# KiCad board main - copyOK.kicad_pcb (continued)
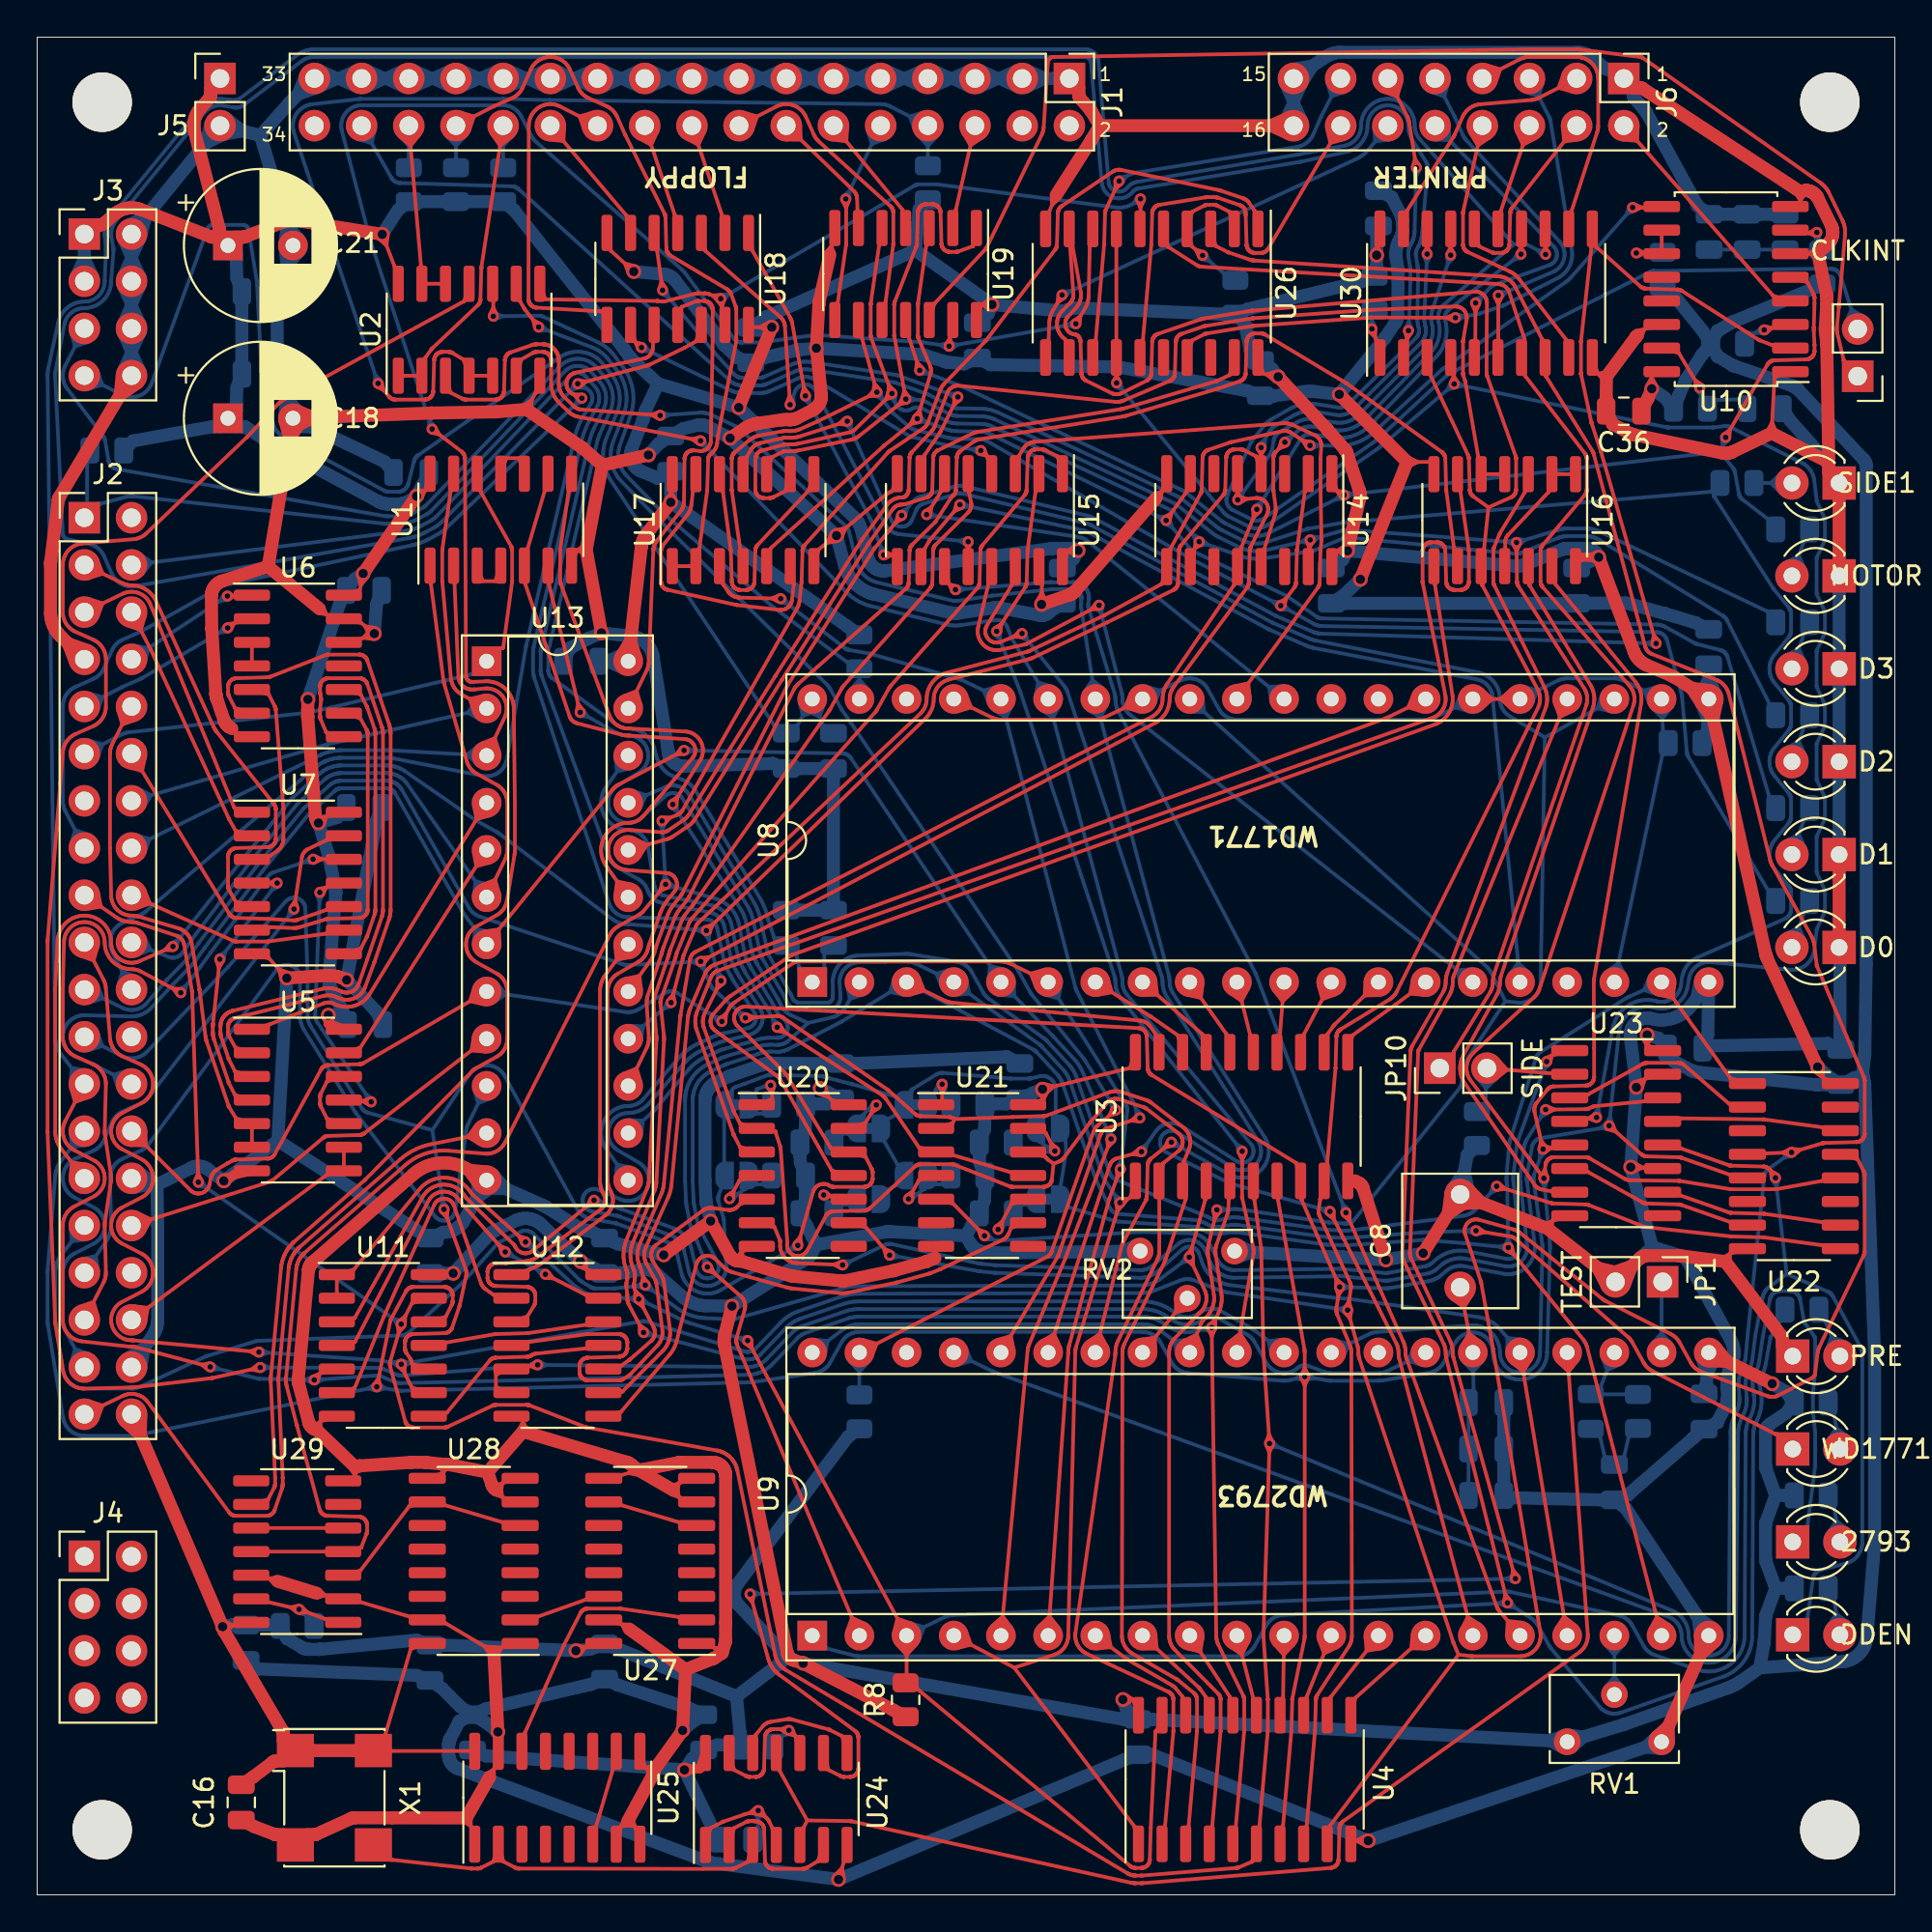
[diagram p0: board, top side]
## Routing (per net, layer and track width the routed paths; a pad name or vN(x,y) marks a point on that pad's centre or on a via; arc(x,y) is an arc through that point) (continued)
GND: length 1170.4
  Top w0.2: 73.75,77.13 74.99,77.13 U16.7 ; 37.9,34.61 38.08,34.23 ; 37.9,34.61 U20.7 ; 37.9,34.61 37.86,34.12 ; 37.9,34.61 37.66,34.27 ; 36.47,13.3 36.88,13.02 ; 36.47,13.3 36.89,13.27 ; 36.47,13.3 36.65,12.91 ; 36.47,13.3 U27.1 ; 17.1,22.59 17.31,22.92 ; 17.1,22.59 16.89,22.92 ; 17.1,22.59 17.1,22.49 U29.7 ; 17.1,22.59 17.1,23.05 ; 91.13,34.51 90.76,34.31 ; 91.13,34.51 91.13,34.09 ; 91.13,34.51 90.88,34.09 ; 91.13,34.51 92.06,34.78 ; 31.47,14.56 31.89,14.3 ; 31.47,14.56 31.89,14.55 ; 31.47,14.56 31.66,14.19 ; 31.47,14.56 U27.15 ; U26.10 54.5,90.65 54.86,91.51 ; v1(54.07,69.46) 54.09,70.5 U15.15 ; 71.02,2.91 v1(71.65,2.91) ; 71.02,2.91 71.51,2.65 ; 71.02,2.91 70.92,2.91 U4.10 ; 71.02,2.91 71.51,3.18 ; 60.55,75.54 60.23,75.17 ; 60.55,75.54 U14.8 ; 60.55,75.54 60.15,75.41 ; 60.55,75.54 60.47,75.13 ; 32.34,22.61 31.82,22.7 32.22,23.05 ; 23.34,3.71 22.97,3.92 ; 23.34,3.71 U25.1 ; 23.34,3.71 23.35,4.13 ; 23.34,3.71 23.1,4.14 ; 25.04,22.16 24.73,21.79 25.04,21.41 ; 25.04,22.17 U28.8 ; 25.04,22.16 24.98,21.75 ; 25.04,22.16 24.65,22.02 ; 34.54,21.41 34.48,21.82 ; 34.54,21.41 34.15,21.55 ; 34.54,21.41 34.23,21.79 34.54,22.16 ; 34.54,21.41 U27.7 ; 86.51,84.28 86.09,84.19 ; 86.51,84.28 86.38,83.87 ; 86.51,84.28 86.14,83.95 ; 86.51,84.28 U10.14 ; U15.8 46.03,75.56 45.97,75.54 45.92,75.52 45.87,75.49 45.82,75.46 45.78,75.43 45.73,75.4 45.69,75.37 45.64,75.34 v1(43.03,73.17) 42.08,72.44 U17.7 ; U28.9 21.86,22.72 ; 21.86,22.72 21.9,23.18 ; 21.86,22.72 22.1,23.02 ; 21.86,22.72 21.68,23.06 ; 84.01,81.88 84.29,81.56 ; 84.01,81.88 84.42,81.97 ; 84.01,81.88 U30.10 ; 84.01,81.88 84.48,81.73 ; 17.92,68.09 17.55,67.67 18.11,67.59 ; 26.19,80.17 26.63,80.48 26.59,79.94 ; 73.85,76.91 74.34,77.13 73.85,77.36 ; U23.11 86.6,39.14 86.5,39.14 86.5,39.15 v1(85.78,39.18) ; 15.56,68.93 15.18,69.24 ; 15.56,68.93 15.42,69.32 ; 15.56,68.93 15.15,68.99 ; 15.56,68.93 15.56,68.93 U6.13 17.46,68.46 v1(18.15,67.89) 17.47,67.64 U6.12 ; 26.34,79.96 26.82,80.83 26.82,80.83 U2.7 ; 31.43,3.68 31.57,4.08 ; 31.43,3.68 31.81,3.99 32.19,3.68 ; 31.43,3.68 31.85,3.75 ; 31.43,3.68 U25.7 ; 32.19,3.68 31.77,3.75 ; 32.19,3.68 32.05,4.08 ; 32.19,3.68 U25.8 ; U7.7 12.49,50.4 v1(13.44,49.35) ; 95.36,88.37 95.85,88.37 ; 95.36,88.37 95.73,88.58 ; 95.36,88.37 95.73,88.15 ; 95.36,88.37 95.26,88.37 U10.6 ; 34.54,22.16 34.48,21.75 ; 34.54,22.17 U27.8 ; 34.54,22.16 34.15,22.02 ; U12.7 26.16,25.57 26.16,25.47 ; 25.04,21.41 24.65,21.55 ; 25.04,21.41 24.98,21.82 ; 25.04,21.41 U28.7 ; 15.24,25.48 15.03,25.04 ; 15.24,25.48 15.28,25.06 ; 15.24,25.48 14.89,25.25 ; 15.24,25.48 U11.7 ; 32.39,22.86 31.49,22.61 U27.9 ; 93.59,78.78 93.39,79.27 93.14,78.8 ; U1.7 29.07,72.39 ; 29.07,72.39 29.44,72.19 ; 29.07,72.39 29.42,72.62 ; 29.07,72.39 29.56,72.41 ; 15.51,16.12 15.03,16.24 ; 15.51,16.12 15.2,16.42 ; 15.51,16.12 15.1,16 ; 15.51,16.12 U29.2 17.44,15.75 20.01,14.99 U28.15 21.99,14.61 22,14.61 24.58,13.08 25.01,13.32 ; 13.15,49.28 13.01,49.83 13.54,49.63 ; 54.33,69.6 54.08,70.1 53.8,69.61 ; 55.03,91.33 54.63,90.97 54.61,91.5 ; U10.8 94.92,91.08 94.92,91.18 ; 94.92,91.18 94.7,91.54 ; 94.92,91.18 95.13,91.54 ; 94.92,91.18 94.92,91.67 ; 48.33,34.61 48.33,34.71 U21.7 ; 48.33,34.61 48.33,34.27 ; 48.33,34.61 48.5,34.44 ; 48.33,34.61 48.16,34.44 ; 24.61,13.33 24.08,13.38 24.38,12.94 ; 10.48,62.78 10.63,62.6 U6.7 ; 85.93,39.44 86.42,39.15 85.91,38.91 ; 25.01,13.32 24.59,13.33 ; 25.01,13.32 U28.1 ; 25.01,13.32 24.8,12.95 ; 42.75,88.75 42.9,88.36 ; 42.75,88.75 42.67,88.27 ; 42.75,88.75 42.75,88.76 U19.7 ; 42.75,88.75 42.48,88.43 ; 26.16,25.47 26.16,24.94 ; 26.16,25.47 25.94,25.06 ; 26.16,25.47 26.37,25.06 ; 24.59,6.75 24.34,6.33 ; 24.59,6.75 24.59,6.33 ; 24.59,6.75 24.22,6.54 ; 24.59,6.75 24.59,6.75 U25.15 24.8,8.63 v1(24.8,8.77) ; 32.74,6.84 33.22,6.72 ; 32.74,6.84 33.04,6.54 ; 32.74,6.84 33.14,6.96 ; 32.74,6.84 U25.9 ; 31.83,87.28 31.64,87.81 32.19,87.67 ; v1(32.12,87.38) 30.89,88.5 30.89,88.5 U18.7 ; 42.75,73.29 42.52,72.78 43.08,72.87 ; U29.12 12.49,17.02 ; 12.49,17.02 12.9,17.12 ; 12.49,17.02 12.96,16.87 ; 12.49,17.02 12.78,16.71 ; U23.15 86.54,43.92 v1(86.09,43.47) ; 43.43,0.88 43.33,1.44 42.93,1.04 ; U24.7 43.41,1.72 v1(43.14,0.83) ; 86.37,43.38 86.54,43.92 86,43.76 ; U23.8 81.56,36.28 ; 81.56,36.28 81.18,36.1 ; 81.56,36.28 81.54,35.86 ; 81.56,36.28 81.29,35.87 ; 18.21,68.19 17.65,68.3 17.87,67.78 ; 42.97,73.46 43.52,73.58 43.31,73.05 ; 93.36,78.69 93.53,81.69 U10.1
  Top w0.5: 70.95,38.43 70.6,38.43 U3.10 ; 10.03,38.58 10.36,38.62 10.17,38.35 ; U5.7 10.6,38.76 10.6,38.76 v1(10.05,38.43)
  Top w0.7: D11.1 96.45,76.55 ; D11.1 D10.1 ; D11.1 96.45,76.55 ; 96.45,76.55 96.45,76.9 ; 96.45,76.55 96.45,76.9 ; v1(72.6,34.18) 71.39,38.01 71.38,38.04 71.37,38.07 71.35,38.09 71.34,38.12 71.33,38.14 71.31,38.16 71.3,38.19 71.28,38.21 71.26,38.23 71.24,38.25 71.22,38.27 71.2,38.28 71.18,38.3 71.15,38.32 71.13,38.33 70.95,38.43 ; D6.1 D7.1 ; v1(30.38,67.93) 29.56,72.41 30.42,76.96 ; 24.34,6.33 23.1,4.14 19.1,4.15 17.1,4.15 17.08,4.15 17.05,4.14 17.03,4.14 17,4.14 16.98,4.13 16.96,4.13 16.94,4.12 16.91,4.11 16.89,4.11 16.87,4.1 15.04,3.27 15.03,3.26 15,3.25 14.97,3.24 14.94,3.24 14.91,3.24 14.9,3.24 14.55,3.24 X1.2 13.25,3.24 12.9,3.24 12.87,3.24 12.84,3.24 12.82,3.25 12.79,3.25 12.78,3.26 11.69,3.67 C16.2 ; 34.23,21.79 32.39,22.86 ; 32.39,22.86 32,23.14 31.97,23.17 31.89,23.22 31.87,23.23 31.85,23.24 31.82,23.25 31.8,23.26 31.78,23.27 31.75,23.28 31.73,23.29 31.71,23.3 26.2,24.93 26.16,24.94 24.25,22.75 ; 32.39,22.86 34.52,23.27 34.55,23.27 34.6,23.28 34.64,23.28 34.65,23.28 36.35,23.28 36.39,23.28 36.43,23.28 36.46,23.27 36.49,23.27 36.52,23.26 36.56,23.25 36.59,23.24 36.62,23.23 36.66,23.21 36.69,23.19 36.72,23.18 36.75,23.16 36.78,23.14 36.81,23.12 36.83,23.09 36.86,23.06 36.88,23.04 36.9,23.02 36.92,22.99 36.95,22.95 36.97,22.93 36.98,22.9 37,22.86 37.01,22.83 37.02,22.8 37.03,22.77 37.04,22.73 37.05,22.69 37.05,22.66 37.06,22.61 37.06,22.58 37.06,22.57 37.06,14.65 37.05,13.72 ; 54.86,91.51 56.75,94.48 56.78,94.51 56.78,94.53 57.2,95.23 ; 30.42,76.96 29.38,77.87 29.36,77.89 29.31,77.92 26.34,79.96 24.75,79.83 24.72,79.83 24.69,79.83 21.24,79.77 21.23,79.77 C18.2 12.43,71.5 ; 30.42,76.96 v1(32.9,77.51) ; 9.65,64.45 9.64,64.48 9.64,64.51 9.63,64.54 9.63,64.56 9.62,64.59 9.62,64.67 9.62,64.67 9.4,68.14 9.4,68.19 9.38,69.9 9.38,69.95 9.38,70 9.39,70.05 9.4,70.09 9.41,70.14 9.42,70.19 9.44,70.23 9.46,70.27 9.48,70.32 9.5,70.36 9.53,70.4 9.56,70.44 9.59,70.47 9.62,70.51 9.65,70.54 9.69,70.57 9.73,70.6 9.77,70.63 9.81,70.66 9.85,70.68 9.89,70.7 9.94,70.72 9.98,70.73 12.43,71.5 ; 24.25,22.75 22.1,23.17 22.08,23.18 22.05,23.18 22.03,23.18 22.01,23.18 21.99,23.18 21.96,23.18 21.94,23.18 21.9,23.18 20.94,23.28 20.91,23.28 20.88,23.28 20.15,23.28 20.11,23.28 17.38,23.09 17.34,23.09 17.34,23.09 17.1,23.05 15.03,25.04 14.99,25.05 14.97,25.06 14.95,25.07 14.93,25.08 14.9,25.09 14.88,25.1 14.86,25.11 14.84,25.13 14.82,25.14 14.8,25.16 14.78,25.18 14.76,25.2 14.74,25.22 14.72,25.24 14.71,25.26 14.69,25.28 14.68,25.3 14.67,25.33 14.65,25.35 14.64,25.37 14.63,25.4 14.62,25.42 14.62,25.45 14.08,27.5 14.07,27.53 14.07,27.56 14.06,27.6 14.06,27.63 14.06,27.66 14.05,27.7 14.05,27.73 14.06,27.76 14.06,27.8 14.6,33.61 14.61,33.65 14.61,33.68 14.62,33.71 14.63,33.75 14.64,33.78 14.65,33.81 14.67,33.85 14.68,33.88 14.7,33.9 14.72,33.93 14.74,33.97 14.76,33.99 14.78,34.02 14.82,34.06 14.84,34.07 20.26,38.79 20.36,38.88 20.48,38.96 20.6,39.04 20.72,39.11 20.84,39.17 20.97,39.23 21.11,39.28 21.24,39.32 21.38,39.35 21.52,39.38 21.66,39.39 21.8,39.4 21.94,39.4 22.08,39.4 22.22,39.38 22.36,39.36 22.49,39.33 22.63,39.29 22.76,39.25 22.89,39.2 23.02,39.14 23.15,39.07 U13.12 ; 24.25,22.75 24.48,22.09 24.49,22.06 24.5,22.04 24.51,22.01 24.52,21.99 24.54,21.96 24.56,21.94 24.57,21.92 24.59,21.89 24.61,21.87 24.63,21.85 24.66,21.84 24.68,21.82 24.7,21.8 24.73,21.79 ; 12.43,71.5 15.18,69.24 ; 96.45,76.9 96.45,76.91 96.33,83.43 96.33,83.47 96.33,83.5 96.33,83.54 96.27,84.1 96.26,84.15 96.26,84.2 96.26,84.25 96.26,84.3 96.26,84.35 96.26,84.4 96.33,85.59 96.33,85.62 96.33,85.65 96.33,85.95 96.33,85.99 96.33,86.02 96.33,86.06 96.33,86.09 96.32,86.11 96.32,86.13 96.32,86.16 96.31,86.18 95.85,88.37 96.39,88.85 96.42,88.89 96.45,88.92 96.48,88.96 96.51,89 96.54,89.04 96.56,89.08 96.58,89.12 96.6,89.17 96.62,89.21 96.63,89.26 96.64,89.31 96.65,89.35 96.66,89.4 96.66,89.45 96.66,89.5 96.66,89.54 96.66,89.59 96.65,89.64 96.64,89.69 96.63,89.73 96.61,89.78 96.6,89.82 96.58,89.87 95.85,91.35 95.83,91.38 95.82,91.41 95.8,91.43 95.78,91.46 95.76,91.49 95.74,91.51 95.71,91.54 95.68,91.57 95.66,91.59 95.63,91.61 95.6,91.63 95.57,91.65 95.54,91.66 95.5,91.68 95.47,91.7 95.44,91.71 95.41,91.72 95.37,91.73 95.34,91.73 95.31,91.74 95.26,91.74 95.24,91.74 95.21,91.74 95.19,91.74 95.16,91.74 95.14,91.74 95.11,91.73 95.09,91.73 95.06,91.72 95.04,91.72 95.02,91.71 94.92,91.67 86.45,97.22 86.44,97.23 86.42,97.23 86.41,97.24 86.39,97.25 86.38,97.26 86.36,97.26 86.34,97.26 86.33,97.27 86.31,97.27 86.29,97.27 86.28,97.27 86.26,97.28 85.91,97.28 J6.1 ; 96.45,76.9 96.45,76.92 96.45,76.94 96.45,76.96 96.44,76.98 96.44,77 96.43,77.01 96.42,77.03 96.42,77.05 96.41,77.07 96.4,77.08 96.39,77.1 96.38,77.11 96.36,77.13 96.35,77.14 96.34,77.16 96.32,77.17 96.31,77.18 96.29,77.19 96.28,77.2 96.26,77.21 93.36,78.69 91.26,77.68 91.23,77.66 91.19,77.65 91.14,77.63 91.1,77.62 91.06,77.61 91.02,77.6 90.98,77.6 90.93,77.59 90.89,77.59 90.85,77.6 90.8,77.6 90.76,77.6 90.72,77.61 85.95,78.6 85.92,78.6 85.88,78.62 85.85,78.63 85.82,78.64 85.79,78.65 85.73,78.67 85.72,78.68 84.83,79.16 84.82,79.17 C36.2 84.46,80.6 84.48,81.73 86.05,83.84 86.07,83.87 86.09,83.89 86.14,83.95 ; 89.53,13.95 89.54,12.97 90.28,13.62 ; 42.67,88.27 42.1,85.75 42.09,85.72 42.09,85.69 42.08,85.63 v1(41.94,83.26) 42.21,80.78 42.22,80.74 42.22,80.69 42.21,80.64 42.21,80.6 42.2,80.55 42.2,80.5 42.18,80.46 42.17,80.41 42.15,80.37 42.13,80.32 42.11,80.28 42.09,80.24 42.06,80.2 42.04,80.16 42.01,80.13 41.97,80.09 41.94,80.06 41.9,80.03 41.87,80 41.83,79.97 41.79,79.95 41.75,79.93 40.9,79.49 40.87,79.48 40.83,79.46 40.8,79.45 40.77,79.44 40.73,79.43 40.69,79.42 40.66,79.41 40.62,79.41 40.59,79.41 40.55,79.4 40.51,79.4 40.48,79.41 40.4,79.41 40.34,79.41 40.28,79.41 40.23,79.41 40.17,79.4 40.11,79.4 40.05,79.39 38.84,79.22 38.8,79.21 38.76,79.21 38.72,79.2 38.67,79.19 38.63,79.18 38.61,79.17 38.53,79.15 38.46,79.13 38.4,79.1 38.33,79.07 38.26,79.04 38.2,79 38.13,78.97 38.07,78.93 v1(37.3,78.41) ; 76.87,37.28 75.96,36.68 76.1,37.77 ; 23.83,38.21 23.26,39.01 24.24,38.91 ; 13.97,79.08 14.85,79.53 13.94,79.9 ; D5.1 93.95,29.55 93.95,29.9 93.95,29.92 93.95,29.93 93.95,29.95 93.94,29.97 93.94,29.99 93.93,30 93.93,30.02 93.92,30.04 93.92,30.05 93.91,30.07 93.9,30.08 93.89,30.1 93.88,30.11 90.88,34.09 88.42,34.41 88.39,34.41 88.36,34.41 88.35,34.41 86.65,34.41 86.62,34.41 86.59,34.41 86.56,34.4 86.54,34.4 86.51,34.39 86.48,34.38 86.45,34.37 86.43,34.36 86.4,34.35 86.38,34.34 86.35,34.32 86.33,34.31 86.3,34.29 86.28,34.27 86.26,34.25 JP1.2 81.29,35.87 C8.2 v1(74.61,34.54) ; J6.16 57.2,95.23 ; 57.2,95.23 56.78,95.94 56.76,95.98 56.74,96.01 56.72,96.05 56.69,96.08 56.67,96.11 56.64,96.14 56.62,96.17 56.15,96.69 56.14,96.71 56.13,96.72 56.12,96.74 56.11,96.75 56.1,96.77 56.09,96.78 56.09,96.8 56.08,96.82 56.08,96.83 56.07,96.85 56.07,96.87 56.07,96.89 56.07,96.91 56.06,96.92 56.06,97.28 J1.1 ; 34.9,12.13 36.38,12.71 36.4,12.72 36.41,12.72 36.43,12.73 36.45,12.74 36.46,12.75 36.48,12.76 36.88,13.02 37.03,13.57 37.04,13.58 37.04,13.6 37.05,13.62 37.05,13.64 37.05,13.66 37.05,13.68 37.05,13.7 37.05,13.72 ; 34.9,12.13 v1(34.74,8.85) 33.22,6.72 33.21,6.69 33.21,6.67 33.21,6.64 33.2,6.62 33.2,6.59 33.19,6.57 33.18,6.54 33.17,6.52 33.16,6.5 33.15,6.47 31.81,3.99 ; 34.9,12.13 31.89,14.3 ; J3.8 1.21,75.27 1.2,75.25 1.19,75.23 1.18,75.2 1.17,75.18 1.16,75.16 1.15,75.14 1.15,75.12 1.14,75.09 1.14,75.07 1.13,75.05 0.73,71.81 0.73,71.77 0.72,71.72 0.72,71.68 0.72,71.63 0.72,71.59 0.72,69.05 0.72,68.95 0.73,68.86 0.74,68.76 0.76,68.67 0.78,68.57 0.81,68.48 0.84,68.39 0.88,68.3 0.92,68.21 0.97,68.13 1.02,68.04 1.08,67.96 1.14,67.89 1.2,67.82 1.27,67.75 J2.7 ; 14.14,79.23 13.59,78.42 13.34,79.37 ; 4.58,81.83 4.47,80.75 5.36,81.37 ; v1(13.44,49.35) 15.54,49.49 15.63,49.49 15.73,49.49 15.82,49.49 15.92,49.48 16.01,49.47 16.11,49.45 16.2,49.43 16.29,49.4 16.38,49.37 16.47,49.34 16.56,49.3 16.65,49.26 v1(16.66,49.25) ; 9.65,64.45 9.66,64.41 9.67,64.38 10.06,63.23 10.08,63.2 10.09,63.16 10.11,63.13 10.12,63.11 10.14,63.08 10.16,63.04 10.18,63.02 10.2,62.99 10.22,62.97 10.25,62.94 10.28,62.92 10.3,62.9 10.35,62.87 10.48,62.78 ; 87.2,8.52 87.8,9.05 87.81,8.24 ; 67.42,95.69 66.43,95.23 67.42,94.78 ; RV1.3 U9.20 ; 85.43,32.82 85.82,33.83 84.79,33.47 ; 24.58,13.08 v1(24.8,8.77) ; 48.33,34.27 47.87,34.09 47.85,34.08 47.83,34.07 47.81,34.07 46.12,33.6 46.08,33.59 46.06,33.59 43.53,33.06 43.5,33.06 43.47,33.05 43.44,33.05 43.41,33.05 43.37,33.05 43.34,33.05 43.31,33.05 43.28,33.05 40.79,33.29 40.73,33.29 40.68,33.3 40.63,33.31 40.57,33.32 40.52,33.34 40.47,33.35 37.86,34.12 37.82,34.12 37.79,34.12 37.77,34.12 37.74,34.12 37.71,34.12 37.68,34.13 37.66,34.14 37.63,34.14 37.6,34.15 37.58,34.16 37.55,34.17 37.53,34.19 37.5,34.2 37.47,34.22 37.45,34.24 37.43,34.25 37.41,34.27 37.39,34.29 37.37,34.31 37.35,34.33 37.34,34.35 37.32,34.37 37.31,34.39 37.29,34.41 v1(36.26,36.27) v1(33.73,34.45) ; 85.08,33.49 84.02,33.74 84.52,32.77 ; 2.71,66.98 1.68,67.35 2.07,66.33 ; 76.96,38.05 77.72,37.26 76.63,37.2 ; v1(70.09,80.77) 73.75,77.13 v1(71.23,70.82) ; 60.23,75.17 55.88,70.19 55.86,70.16 55.83,70.13 55.8,70.11 55.78,70.09 55.74,70.06 55.71,70.04 55.69,70.03 55.66,70.01 55.62,70 55.59,69.98 55.58,69.98 v1(54.07,69.46) ; 12.96,16.87 15.03,16.24
  Bottom w0.7: v1(32.12,87.38) 33.75,87.23 33.79,87.23 33.83,87.22 33.88,87.21 33.92,87.2 33.96,87.19 34.01,87.17 34.05,87.15 34.09,87.13 34.12,87.11 34.16,87.08 34.2,87.06 34.23,87.03 34.27,87 34.3,86.96 34.33,86.93 34.35,86.9 36.92,83.5 36.94,83.48 36.96,83.46 36.97,83.44 36.99,83.42 37.01,83.4 37.03,83.38 37.68,82.75 37.7,82.75 C39.2 39.14,82.75 39.15,82.75 40.79,83.13 40.85,83.14 40.9,83.15 40.96,83.16 41.01,83.17 41.07,83.18 41.12,83.18 v1(41.94,83.26) 47.56,82.92 47.59,82.92 47.62,82.91 47.65,82.91 47.68,82.9 47.71,82.9 47.74,82.89 47.77,82.88 48.83,82.54 48.85,82.54 48.88,82.53 48.9,82.52 48.93,82.52 48.95,82.51 48.97,82.51 49,82.51 49.89,82.41 49.9,82.41 C37.2 51.31,82.37 51.32,82.37 58.12,82.25 ; 47.74,98.23 46.75,97.78 47.74,97.32 ; 48.15,97.32 49.14,97.78 48.15,98.23 ; v1(18.15,67.89) 18.27,69.49 C29.2 ; 27.83,98.23 28.83,97.78 27.83,97.32 ; 35.95,42.86 35.95,42.88 35.96,42.91 35.96,42.94 35.98,43.03 35.98,43.05 35.99,43.07 35.99,43.09 36,43.1 36.01,43.12 36.01,43.14 36.05,43.23 36.06,43.25 36.06,43.26 36.07,43.28 36.08,43.3 36.09,43.31 36.1,43.33 36.16,43.41 36.18,43.44 36.19,43.45 36.2,43.47 36.21,43.48 36.22,43.49 36.3,43.56 36.31,43.58 36.32,43.59 36.34,43.6 36.35,43.61 36.36,43.62 36.38,43.63 36.46,43.69 ; C7.1 84.18,21.26 84.17,21.26 79.46,21.37 79.45,21.38 79.1,21.38 C6.1 C4.1 C5.1 ; C7.1 85.63,21.53 85.64,21.54 89.14,24.59 89.15,24.59 C43.2 90.43,25.43 90.44,25.44 90.89,26.31 90.92,26.36 90.93,26.39 90.94,26.42 90.95,26.44 90.97,26.49 90.97,26.51 90.98,26.54 90.99,26.59 90.99,26.62 90.99,26.65 91,26.71 90.99,26.74 ; C7.1 85.52,20.81 89.26,15.16 89.29,15.12 89.31,15.07 U9.20 ; 32.91,98.23 33.91,97.78 32.91,97.32 ; 87.4,7.87 86.6,7.96 87.19,8.51 ; v1(74.61,34.54) v1(72.6,34.18) 70.29,34.33 70.22,34.34 70.19,34.34 70.16,34.34 70.14,34.34 70.11,34.34 69.6,34.34 69.56,34.34 69.52,34.34 69.48,34.34 69.44,34.35 RV2.1 ; 12.96,40.6 20.47,35.75 C15.2 21.86,35.67 21.91,35.67 21.98,35.67 22.05,35.68 22.12,35.69 22.18,35.7 22.25,35.72 22.31,35.74 22.38,35.76 22.44,35.79 22.5,35.82 22.56,35.86 22.61,35.9 22.67,35.94 22.72,35.98 22.77,36.03 22.82,36.08 22.86,36.13 22.9,36.18 22.94,36.24 22.98,36.3 U13.12 27.18,37.13 27.22,37.11 27.27,37.09 27.31,37.07 27.36,37.04 27.4,37.02 27.45,36.99 29.09,35.97 29.15,35.93 29.21,35.9 29.27,35.87 29.34,35.84 29.41,35.81 29.47,35.79 29.54,35.77 29.61,35.75 29.68,35.74 29.84,35.71 29.84,35.71 C22.2 31.26,35.04 v1(33.73,34.45) ; 12.96,40.6 v1(13.44,49.35) ; 12.96,40.6 v1(10.05,38.43) 9.18,39.06 9.14,39.09 9.1,39.11 9.06,39.13 9.02,39.15 8.98,39.17 8.93,39.18 8.89,39.2 8.84,39.21 8.8,39.21 8.75,39.22 8.71,39.22 8.66,39.22 8.61,39.22 8.57,39.22 8.52,39.21 8.47,39.2 8.43,39.19 8.39,39.17 8.34,39.15 8.3,39.13 6.45,38.23 ; 45.2,97.32 44.2,97.78 45.2,98.23 ; 35.45,97.32 36.45,97.78 35.45,98.23 ; 37.58,97.32 36.59,97.78 37.58,98.23 ; 29.96,97.32 28.97,97.78 29.96,98.23 ; 17.26,98.23 16.27,97.78 17.26,97.32 ; 40.53,97.32 41.52,97.78 40.53,98.23 ; 86.94,34.88 88.52,34.38 88.54,34.38 88.57,34.36 88.6,34.35 88.62,34.34 88.65,34.32 88.67,34.31 88.69,34.29 88.72,34.27 88.74,34.25 88.76,34.23 88.78,34.21 88.79,34.19 88.81,34.17 88.83,34.14 88.84,34.12 91.18,29.85 91.21,29.79 91.24,29.72 91.26,29.66 91.28,29.59 91.3,29.52 91.32,29.46 91.33,29.39 91.34,29.32 91.34,29.25 91.34,29.18 91.34,29.11 91.33,29.04 91.32,28.97 91.31,28.9 91.29,28.84 91.27,28.77 91.25,28.7 91.13,28.39 91.09,28.29 91.06,28.18 91.03,28.07 91.01,27.96 90.99,27.85 90.98,27.74 90.97,27.63 90.97,27.52 90.97,27.41 90.98,27.3 90.98,27.25 90.98,27.24 91,26.74 ; 86.94,34.88 86.27,34.26 86.26,34.25 JP1.2 ; 86.94,34.88 v1(85.78,39.18) v1(86.09,43.47) 85.76,46.18 85.75,46.23 85.75,46.28 85.75,46.34 85.76,46.39 85.77,46.45 85.78,46.5 85.79,46.55 85.81,46.6 85.83,46.65 85.85,46.7 85.88,46.75 85.91,46.79 85.94,46.84 85.97,46.88 86.01,46.92 86.05,46.96 86.09,46.99 86.13,47.03 86.18,47.06 86.22,47.08 86.27,47.11 86.32,47.13 86.37,47.15 86.42,47.17 86.48,47.18 86.53,47.19 86.58,47.19 86.64,47.2 86.69,47.2 86.75,47.2 86.8,47.19 86.85,47.18 86.91,47.17 87.02,47.14 87.13,47.12 87.25,47.1 87.37,47.1 87.48,47.1 87.6,47.1 87.71,47.11 87.83,47.13 87.94,47.16 88.05,47.19 88.16,47.23 88.27,47.27 88.38,47.32 88.48,47.38 88.58,47.44 88.67,47.51 88.76,47.58 88.85,47.66 88.93,47.74 89.01,47.83 89.08,47.92 U8.20 89.98,49.09 89.93,46.3 C27.2 89.81,45.7 90.16,45.7 90.17,45.7 96.37,45.83 96.38,45.83 C24.2 97.05,45.66 97.05,50.45 D6.1 ; 5.53,81.99 5.08,82.98 4.63,81.99 ; 67.18,97.57 67.63,96.58 68.08,97.57 ; 36.03,37.16 36.02,37.21 36.02,37.25 36.01,37.29 36,37.33 36,37.37 36,37.41 35.95,38.44 35.95,38.47 35.95,42.78 35.95,42.81 35.95,42.86 ; J3.8 J3.6 J3.4 J3.2 J5.2 12.02,94.71 ; C31.2 11.86,12.17 11.88,12.16 20.42,11.81 C40.2 21.8,11.12 22.78,10.12 C14.2 ; 68.08,95.44 67.63,96.44 67.18,95.44 ; 64.63,34.98 65.34,34.6 64.59,34.31 ; 89.54,49.23 89.34,48.27 90.2,48.74 ; 43.07,97.32 44.06,97.78 43.07,98.23 ; 14.11,79.77 14.75,79.02 13.76,79.03 ; C41.2 89.28,68.47 89.28,68.47 87.64,68.97 87.59,68.98 85.51,69.55 C44.2 C35.2 70.31,69.95 v1(71.23,70.82) ; 15.09,97.3 14.07,96.94 14.46,97.96 ; 52.82,97.32 51.83,97.78 52.82,98.23 ; 19.8,98.23 18.8,97.78 19.8,97.32 ; 37.99,97.32 38.98,97.78 37.99,98.23 ; 20.21,98.23 21.2,97.78 20.21,97.32 ; 14.1,79.79 13.44,80.51 13.32,79.54 ; 40.12,98.23 39.12,97.78 40.12,97.32 ; C14.2 24.11,9.3 v1(24.8,8.77) ; C14.2 24.15,10.01 29.82,11.34 29.82,11.34 C25.2 31.26,11.29 31.26,11.29 35.16,10.01 C13.2 35.23,9.27 v1(34.74,8.85) ; C14.2 22.73,9.34 22.72,9.33 22.25,8.44 22.23,8.41 22.21,8.37 22.2,8.34 22.19,8.31 22.18,8.28 22.17,8.24 22.16,8.2 22.16,8.17 22.15,8.14 22.15,8.09 22.15,8.06 22.15,8.05 22.15,7.55 22.15,7.51 22.15,7.45 22.16,7.42 22.16,7.39 22.17,7.36 22.18,7.32 22.19,7.29 22.2,7.26 22.22,7.23 22.23,7.19 22.25,7.16 22.26,7.13 22.28,7.1 22.31,7.06 22.33,7.04 22.35,7.01 22.37,6.99 22.4,6.96 22.43,6.94 22.45,6.92 22.48,6.9 22.53,6.86 22.55,6.85 22.58,6.83 22.6,6.82 22.64,6.8 22.68,6.79 36.15,1.77 36.18,1.76 36.2,1.75 36.26,1.73 36.28,1.73 36.31,1.72 v1(43.14,0.83) 58.52,7.27 58.52,7.27 C17.2 59.97,7.54 60,7.54 60.03,7.54 60.06,7.53 60.08,7.52 v1(71.65,2.91) RV1.3 ; 13.32,88.85 13.46,89.82 14.11,89.08 ; 10.15,95.63 11.01,94.95 9.94,94.74 ; 5.53,89.19 5.08,88.2 4.63,89.19 ; 13.32,88.72 13.46,87.75 14.11,88.49 ; 17.67,97.32 18.66,97.78 17.67,98.23 ; 5.17,38.08 6.24,38.28 5.39,38.96 ; 50.69,98.23 51.69,97.78 50.69,97.32 ; 50.28,98.23 49.28,97.78 50.28,97.32 ; C1.2 93.36,90.46 92.77,90.46 C3.2 91.32,90.46 90.72,90.47 C2.2 89.38,90.92 89.38,90.92 86.65,95.91 86.62,95.95 86.6,95.99 86.57,96.03 86.55,96.07 86.52,96.1 86.49,96.14 86.46,96.17 86,96.69 85.99,96.71 85.98,96.72 85.97,96.74 85.96,96.75 85.95,96.77 85.94,96.78 85.93,96.8 85.93,96.82 85.92,96.83 85.92,96.85 85.91,96.87 85.91,96.89 85.91,96.91 85.91,96.92 85.91,97.28 J6.1 84.91,98.28 84.56,98.28 84.54,98.28 84.52,98.28 84.51,98.28 84.49,98.28 84.47,98.29 84.45,98.29 84.44,98.3 84.42,98.3 84.4,98.31 84.39,98.32 84.37,98.33 84.36,98.34 84.34,98.35 84.33,98.36 83.81,98.83 83.75,98.87 83.7,98.92 83.63,98.96 83.57,99 83.51,99.03 83.44,99.06 83.37,99.09 83.3,99.12 83.23,99.14 83.16,99.15 83.09,99.17 83.02,99.18 82.94,99.18 82.87,99.19 70.17,99.19 70.1,99.18 70.03,99.18 69.96,99.17 69.9,99.16 69.83,99.14 69.76,99.12 69.7,99.1 69.63,99.08 69.57,99.05 69.51,99.02 69.45,98.98 69.39,98.95 J6.15 J6.16 ; C34.2 18.27,57.81 18.27,57.81 v1(16.66,49.25) 18.25,47.56 18.25,47.55 C32.2 ; 24.46,38.1 23.67,37.52 23.75,38.5 ; 42.66,98.23 41.66,97.78 42.66,97.32 ; 67.55,98.27 68.63,98.44 68.06,97.51 ; J1.1 J1.3 J1.5 J1.7 J1.9 J1.11 J1.13 J1.15 J1.17 J1.19 J1.21 J1.23 14.92,97.78 13.66,96.54 13.62,96.5 13.58,96.47 13.57,96.45 12.02,94.71 ; 4.63,87.07 5.08,88.06 5.53,87.07 ; 76.19,37.99 76.81,38.88 77.08,37.82 ; 15.13,98.23 16.12,97.78 15.13,97.32 ; 24.88,97.32 23.88,97.78 24.88,98.23 ; 25.29,98.23 26.28,97.78 25.29,97.32 ; 5.57,28.33 5.75,29.41 4.82,28.84 ; 36.03,37.16 v1(36.26,36.27) ; 6.45,38.23 J2.30 ; 6.45,38.23 6.49,36.06 6.49,36.03 6.49,30.95 6.49,30.88 6.48,30.81 6.47,30.74 6.46,30.68 6.45,30.61 6.43,30.54 6.41,30.48 6.38,30.41 6.35,30.35 6.32,30.29 6.29,30.23 6.25,30.17 J2.38 ; 84.79,33.47 85.82,33.83 85.43,32.82 ; 40.33,53 42.87,53 C9.2 C12.2 39.6,60.9 39.59,60.9 34.85,60.75 34.8,60.75 34.75,60.75 34.7,60.76 34.65,60.77 34.6,60.78 34.55,60.79 34.51,60.81 34.46,60.83 34.42,60.85 34.37,60.88 34.33,60.9 34.29,60.93 34.25,60.97 34.22,61 34.18,61.04 34.15,61.07 34.12,61.11 34.1,61.15 34.07,61.2 34.05,61.24 34.03,61.29 34.01,61.33 34,61.38 33.98,61.43 33.98,61.48 33.97,61.53 33.97,61.56 33.96,61.6 33.96,61.63 33.95,61.67 33.16,66.62 33.14,66.7 33.13,66.77 33.1,66.85 33.08,66.92 33.05,66.99 33.01,67.06 32.97,67.12 32.93,67.19 32.88,67.25 32.83,67.31 32.78,67.36 32.72,67.42 32.67,67.47 32.6,67.51 32.54,67.56 32.47,67.6 32.41,67.63 32.34,67.66 32.26,67.69 32.19,67.71 32.11,67.73 32.04,67.75 31.96,67.76 v1(30.38,67.93) 29.63,67.61 29.6,67.6 29.59,67.59 28.69,67.12 28.68,67.11 C30.2 ; 89.53,13.91 89.43,14.88 90.24,14.33 ; 12.02,94.71 C21.2 13.23,87.02 C19.2 C20.2 13.23,81.14 C18.2 18.71,77.15 C33.2 ; 5.53,86.65 5.08,85.66 4.63,86.65 ; 5.53,84.11 5.08,83.12 4.63,84.11 ; 36.46,43.69 36.49,43.7 36.51,43.72 36.54,43.73 37.22,44.05 37.32,44.09 37.35,44.1 37.37,44.11 39,44.67 39.05,44.69 39.07,44.7 39.11,44.71 39.16,44.73 39.21,44.74 39.26,44.75 39.31,44.76 39.36,44.77 39.41,44.77 39.46,44.77 39.51,44.77 39.56,44.77 39.72,44.76 39.75,44.76 39.77,44.76 39.8,44.76 39.83,44.76 42.52,44.75 C26.2 43.97,44.75 43.98,44.75 52.17,45.11 52.19,45.11 52.2,45.11 C28.2 ; D10.1 D9.1 D8.1 D7.1 ; C45.2 94.38,79.35 96.36,77.13 96.37,77.12 96.38,77.11 96.39,77.09 96.4,77.07 96.41,77.06 96.42,77.04 96.43,77.03 96.43,77.01 96.44,76.99 96.44,76.97 96.45,76.95 96.45,76.94 96.45,76.92 96.45,76.9 96.45,76.55 D11.1 ; 24.2,38.02 25.18,38.03 24.53,38.76 ; 4.86,89.85 5.84,90.33 5.56,89.27 ; R21.2 76.99,39.83 76.98,39.83 C8.2 ; 32.5,97.32 31.51,97.78 32.5,98.23 ; 45.61,97.32 46.61,97.78 45.61,98.23 ; 22.75,97.32 23.74,97.78 22.75,98.23 ; 35.04,98.23 34.05,97.78 35.04,97.32 ; v1(54.07,69.46) 54.46,69.52 C46.2 54.53,69.09 54.51,69.06 54.48,69.04 54.46,69.02 54.44,69 54.41,68.98 54.38,68.96 54.36,68.94 54.33,68.93 54.3,68.92 54.27,68.9 54.24,68.89 54.21,68.89 54.18,68.88 54.15,68.87 54.11,68.87 54.08,68.87 54.05,68.87 54.02,68.87 53.99,68.87 53.96,68.88 51.88,69.27 51.84,69.27 51.79,69.28 51.74,69.29 51.7,69.29 51.65,69.29 51.6,69.29 51.56,69.29 51.51,69.28 51.46,69.27 49.62,69 49.57,68.99 49.51,68.99 49.46,68.99 49.41,68.99 49.35,68.99 49.3,68.99 49.24,69 49.19,69.01 49.14,69.02 45.06,70.01 44.94,70.04 44.83,70.08 44.73,70.12 44.62,70.17 44.52,70.22 44.42,70.28 44.32,70.34 44.23,70.41 44.14,70.49 44.05,70.57 43.97,70.65 43.89,70.74 43.82,70.83 43.75,70.92 43.69,71.02 43.64,71.12 43.59,71.23 43.54,71.34 43.5,71.45 43.47,71.56 v1(43.03,73.17) v1(37.3,78.41) 36.11,79.03 36.07,79.05 36.03,79.07 35.99,79.09 35.95,79.1 35.9,79.11 35.86,79.12 35.81,79.13 35.77,79.13 35.73,79.13 35.68,79.13 35.64,79.13 35.59,79.12 35.55,79.12 35.5,79.11 34.79,78.93 34.78,78.93 C23.2 33.45,78.11 33.45,78.1 v1(32.9,77.51) ; 30.37,98.23 31.37,97.78 30.37,97.32 ; 10.07,94.79 9.09,94.31 9.36,95.36 ; 22.34,98.23 21.34,97.78 22.34,97.32 ; 27.42,98.23 26.42,97.78 27.42,97.32 ; 53.23,98.23 54.22,97.78 53.23,97.32 ; 5.53,84.53 5.08,85.52 4.63,84.53 ; 58.12,82.25 58.14,82.25 58.17,82.24 58.19,82.24 58.21,82.24 58.24,82.24 58.26,82.23 65.13,80.97 C42.2 66.58,80.7 66.61,80.7 66.61,80.7 68.12,80.91 68.22,80.92 68.33,80.93 68.43,80.93 68.54,80.93 68.64,80.93 68.74,80.92 68.85,80.91 v1(70.09,80.77) 72.51,83.76 72.53,83.78 72.55,83.81 72.56,83.82 73.08,84.59 73.12,84.64 73.13,84.66 73.15,84.71 73.17,84.74 73.19,84.78 73.2,84.81 73.2,84.84 73.22,84.89 73.22,84.92 73.23,84.94 73.23,85.01 73.23,85.03 73.26,86.86 73.26,86.87 73.26,87.39 73.26,87.42 73.26,87.44 73.25,87.5 73.25,87.52 73.17,88.06 73.15,88.14 73.15,88.23 73.14,88.31 73.15,88.39 73.15,88.48 73.16,88.56 73.17,88.64 73.19,88.73 73.22,88.81 73.24,88.89 73.27,88.96 73.31,89.04 73.34,89.12 73.39,89.21 73.4,89.23 73.42,89.27 73.43,89.3 73.44,89.33 73.45,89.36 73.47,89.42 73.48,89.45 73.48,89.48 73.48,89.5 73.49,89.55 73.49,89.58 73.49,89.59 73.49,90.09 73.49,90.12 73.49,90.14 73.48,90.18 73.48,90.22 73.47,90.25 73.47,90.28 73.45,90.34 73.44,90.37 73.43,90.4 73.42,90.41 73.4,90.47 73.39,90.48 72.91,91.37 72.9,91.38 C38.2
